# Altium PCB guvenlik_sistemi.PcbDoc (part 1 of 2)
Units mm, origin at the board's own origin, x right, y up, seen from the top; angles counter-clockwise.
Board outline 74.17 x 99.57 mm, 4 copper layers (Top Layer, GROUND, POWER, Bottom Layer), stack 1.369 mm thick; 125 components, 86 nets, 445 pads, 83 vias.
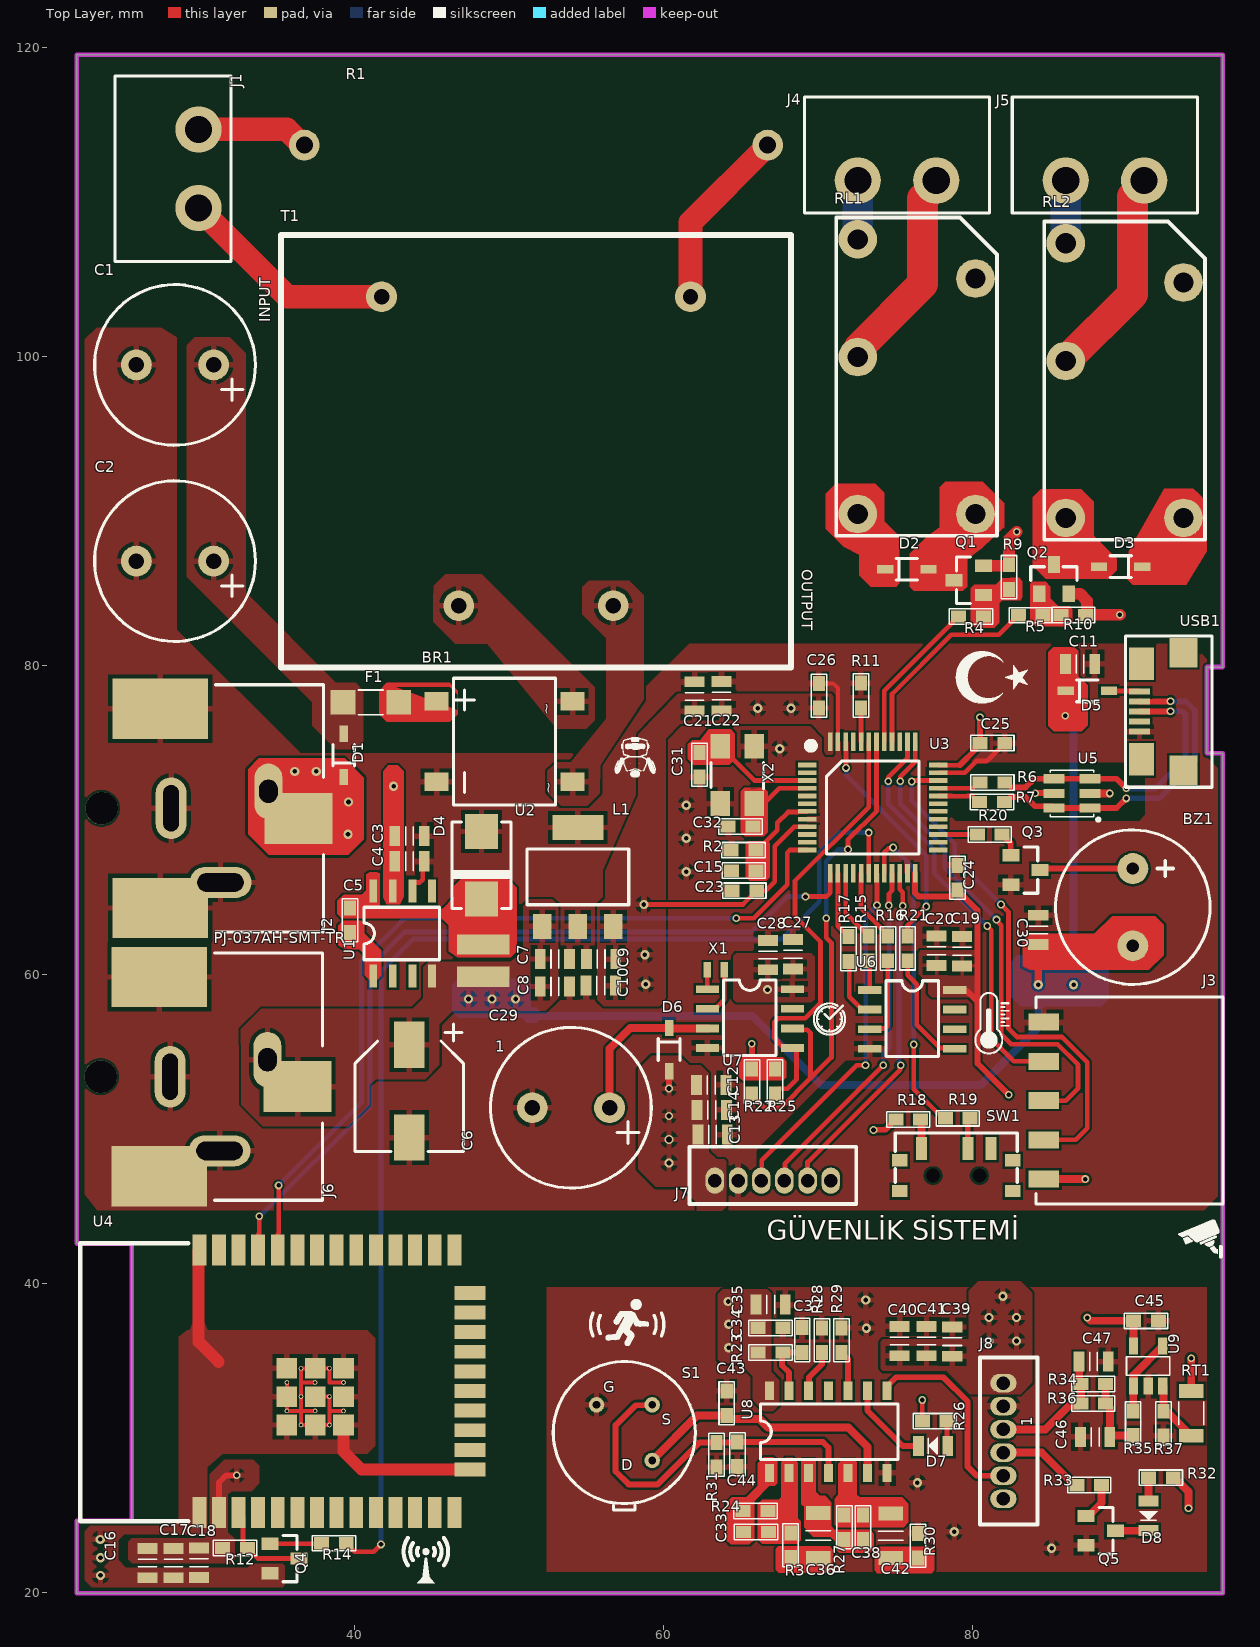
[diagram p0: Top Layer view]
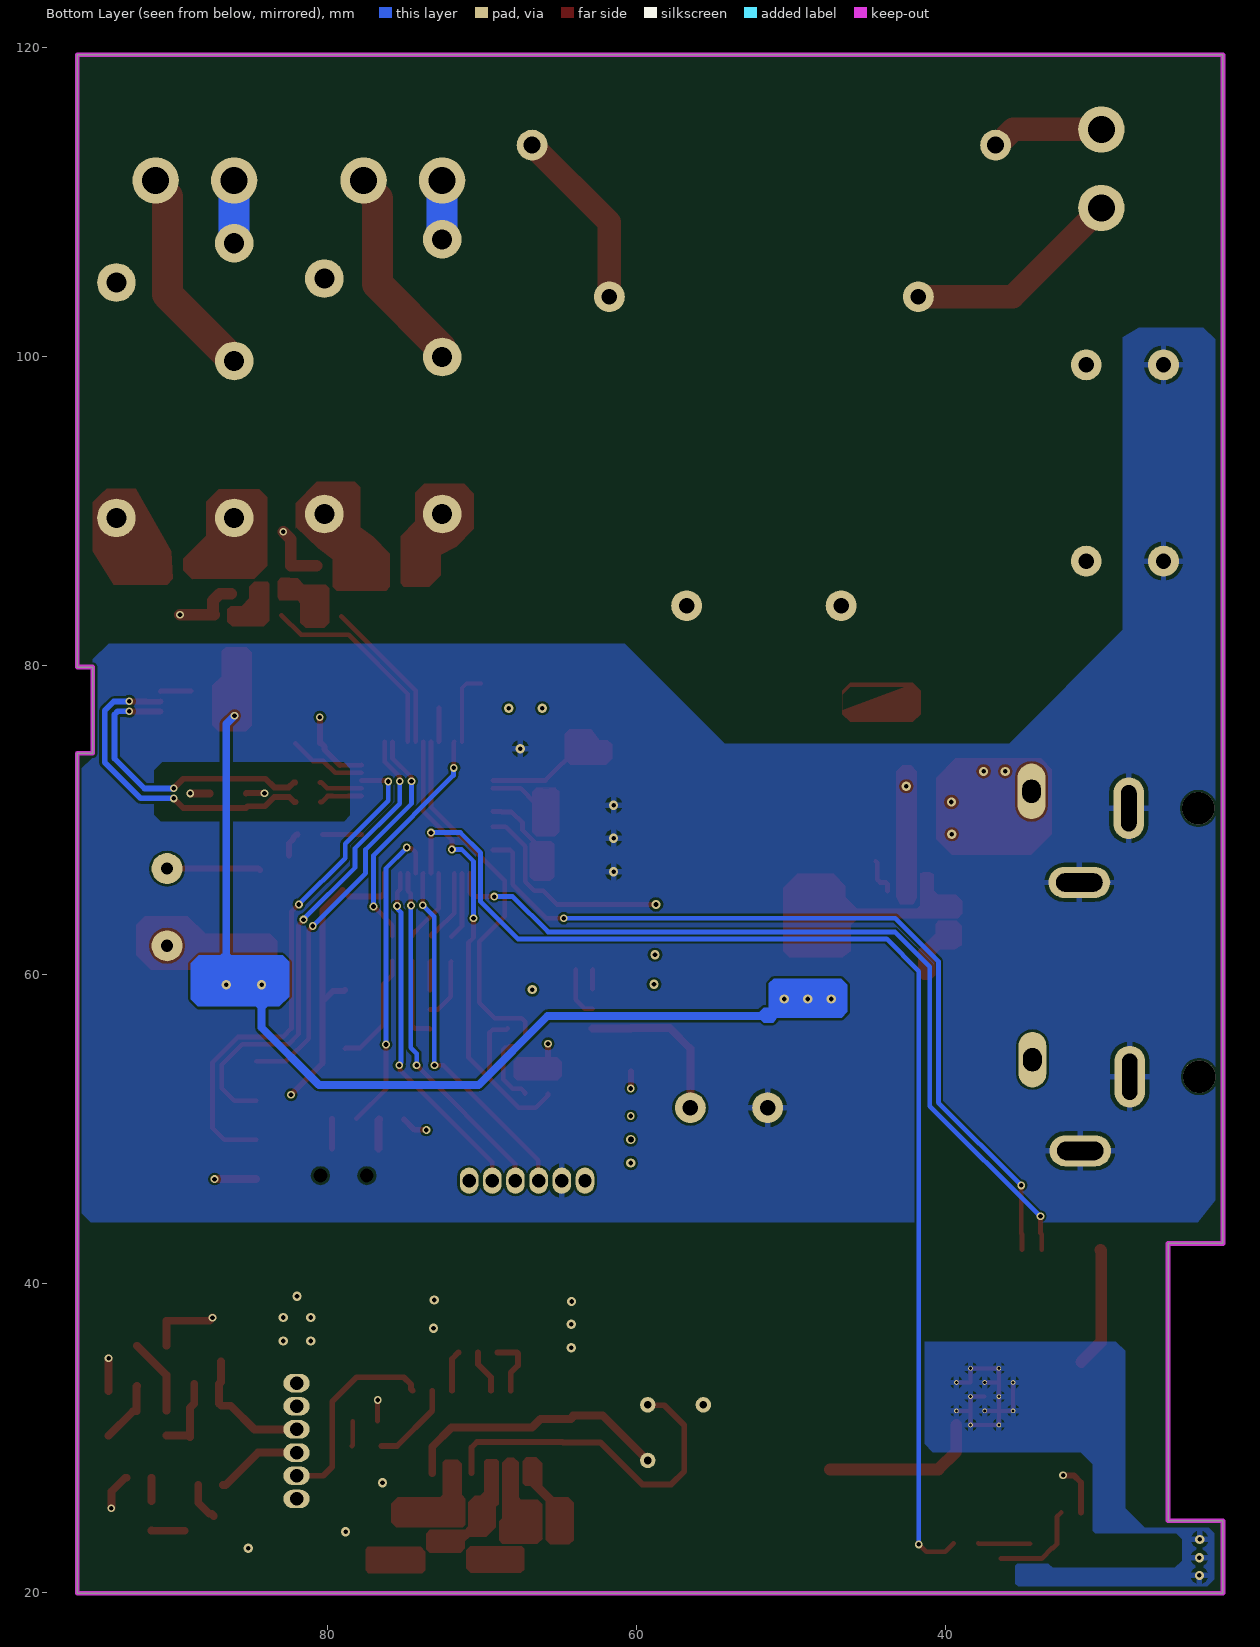
[diagram p1: Bottom Layer view, seen from below]
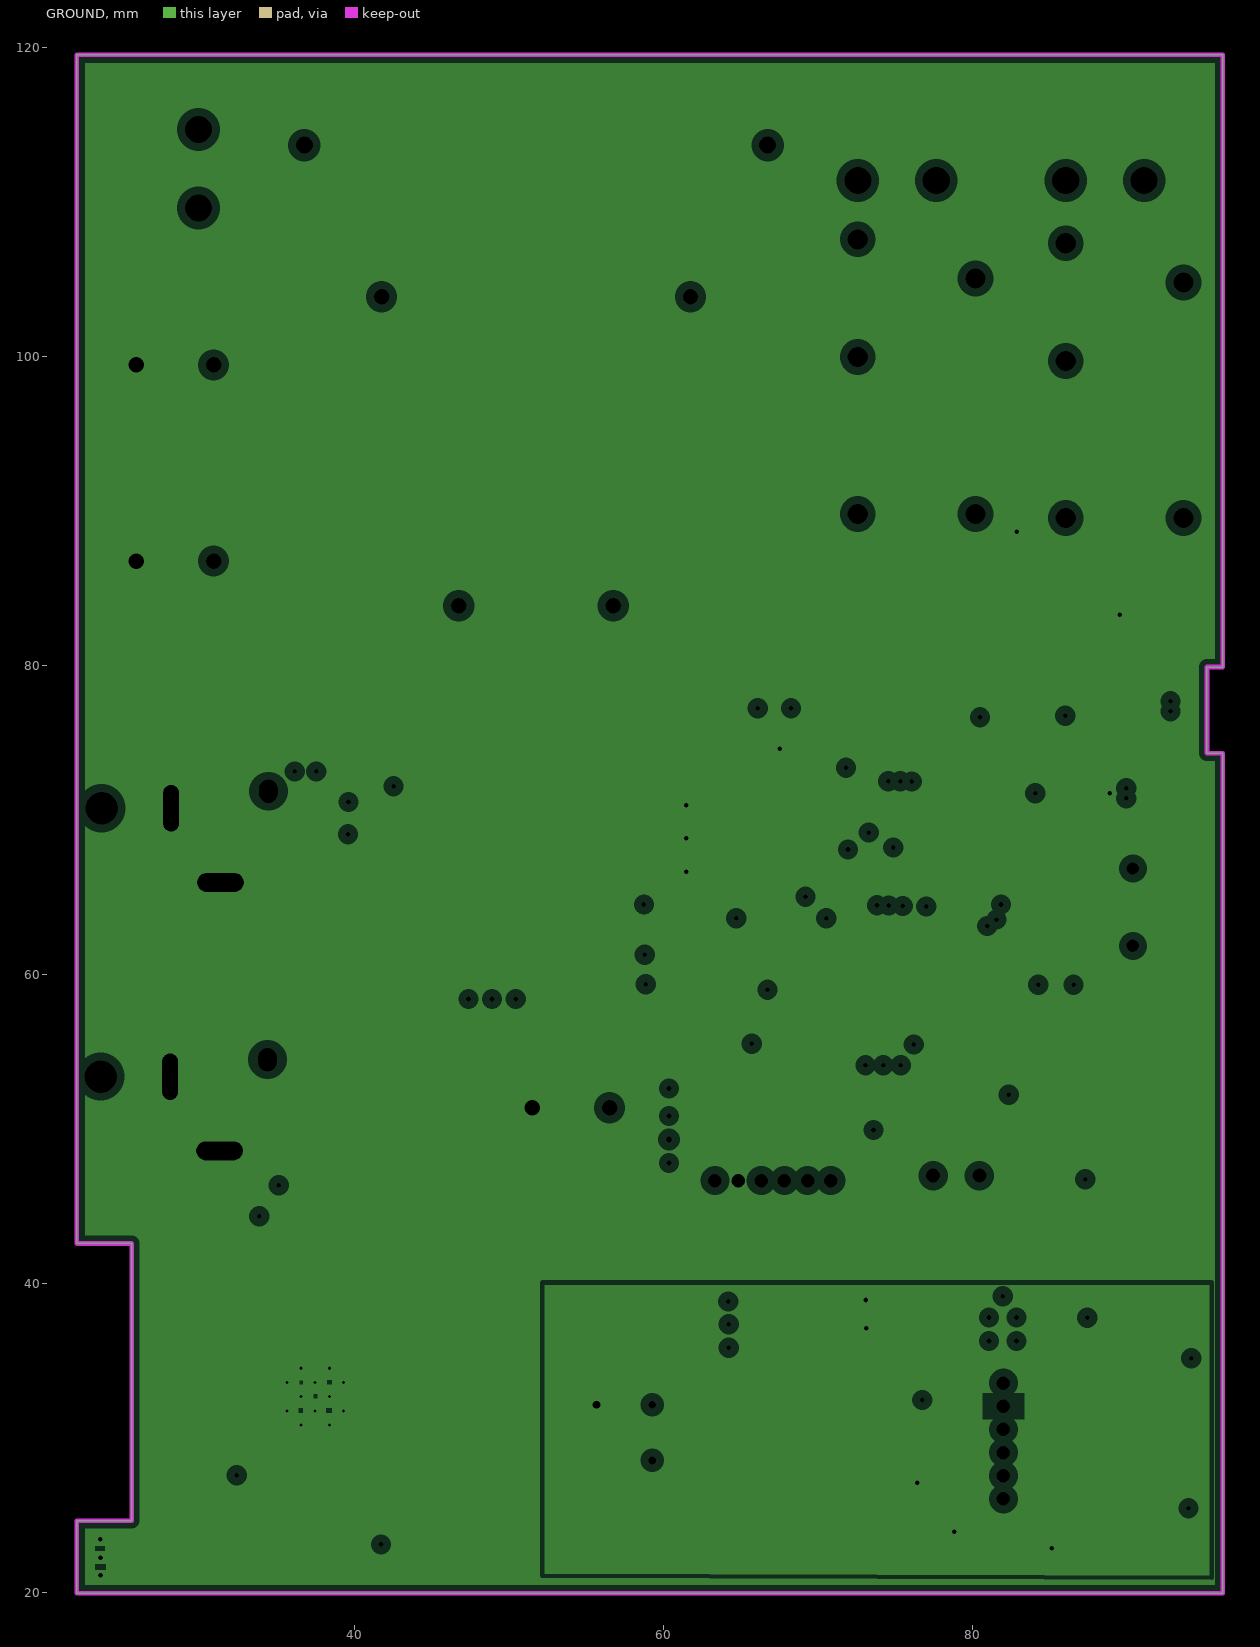
[diagram p2: GROUND, clearances drawn from the general rule]
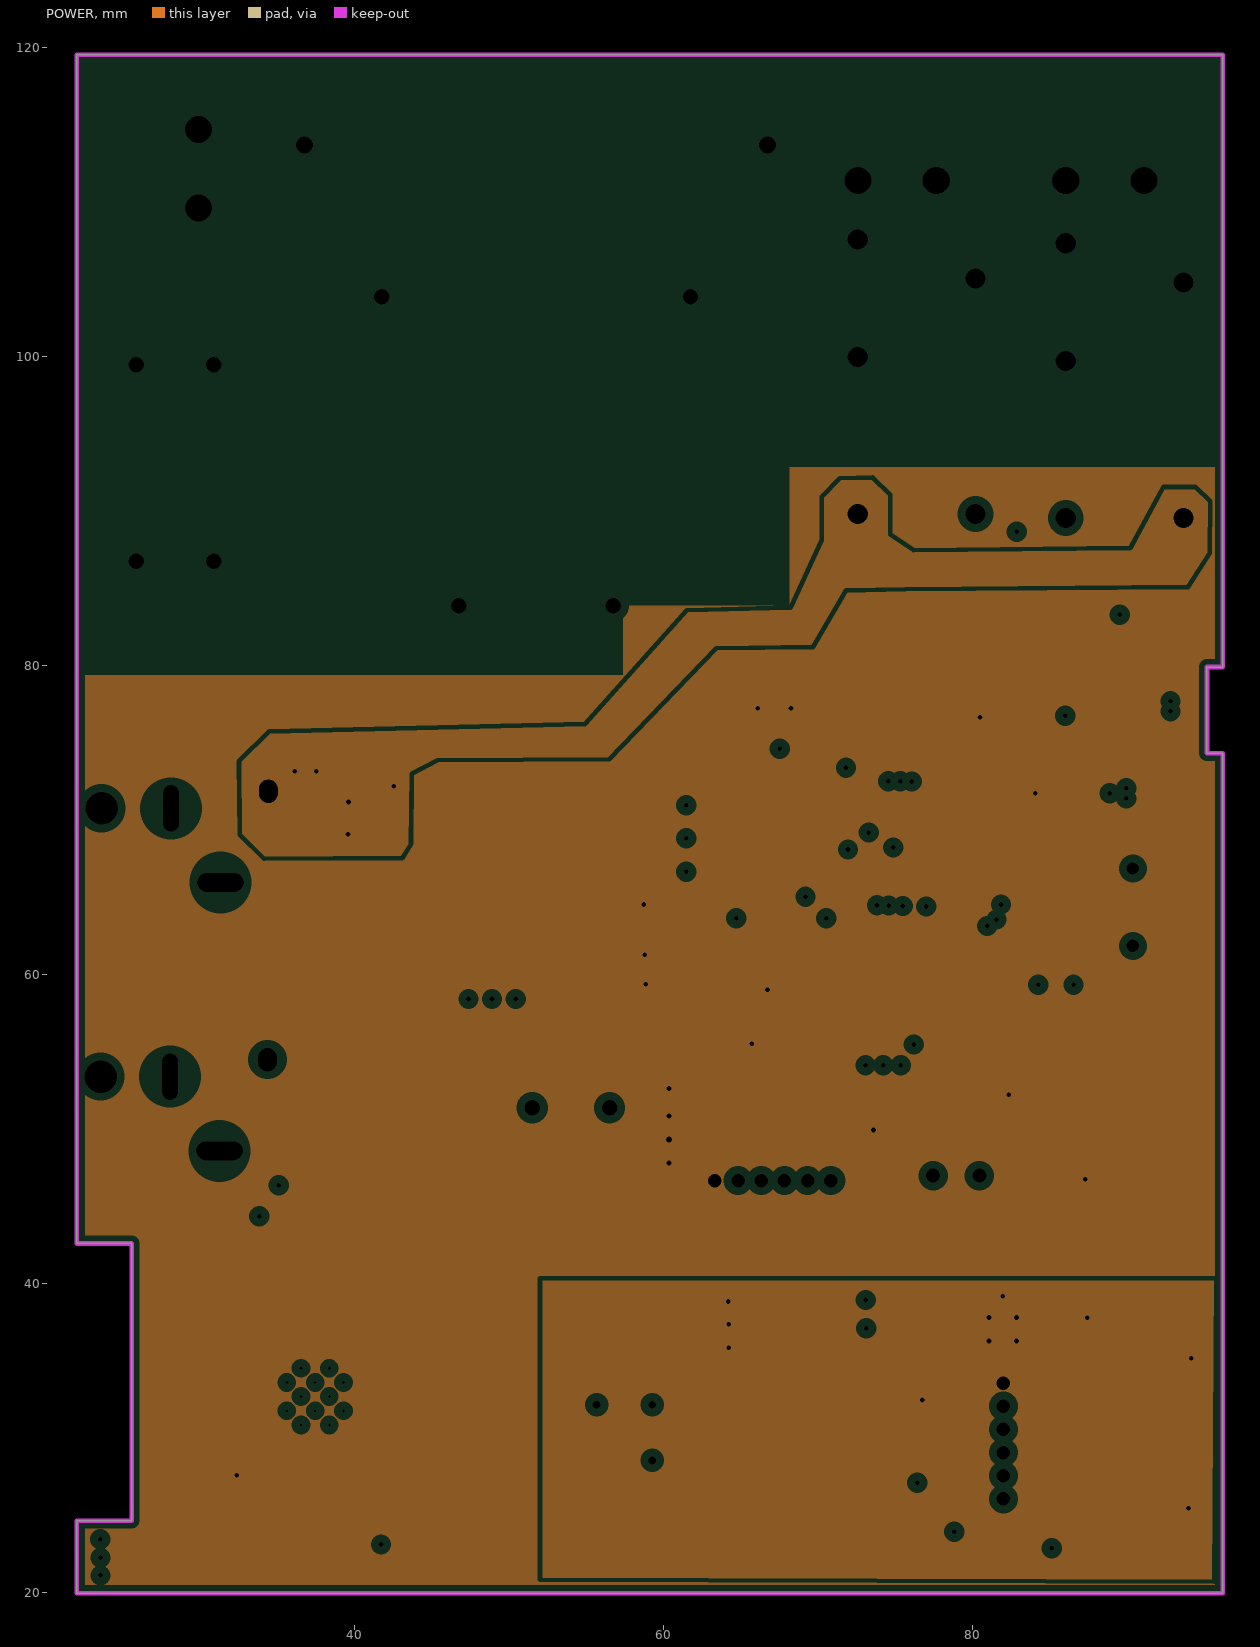
[diagram p3: POWER, clearances drawn from the general rule]
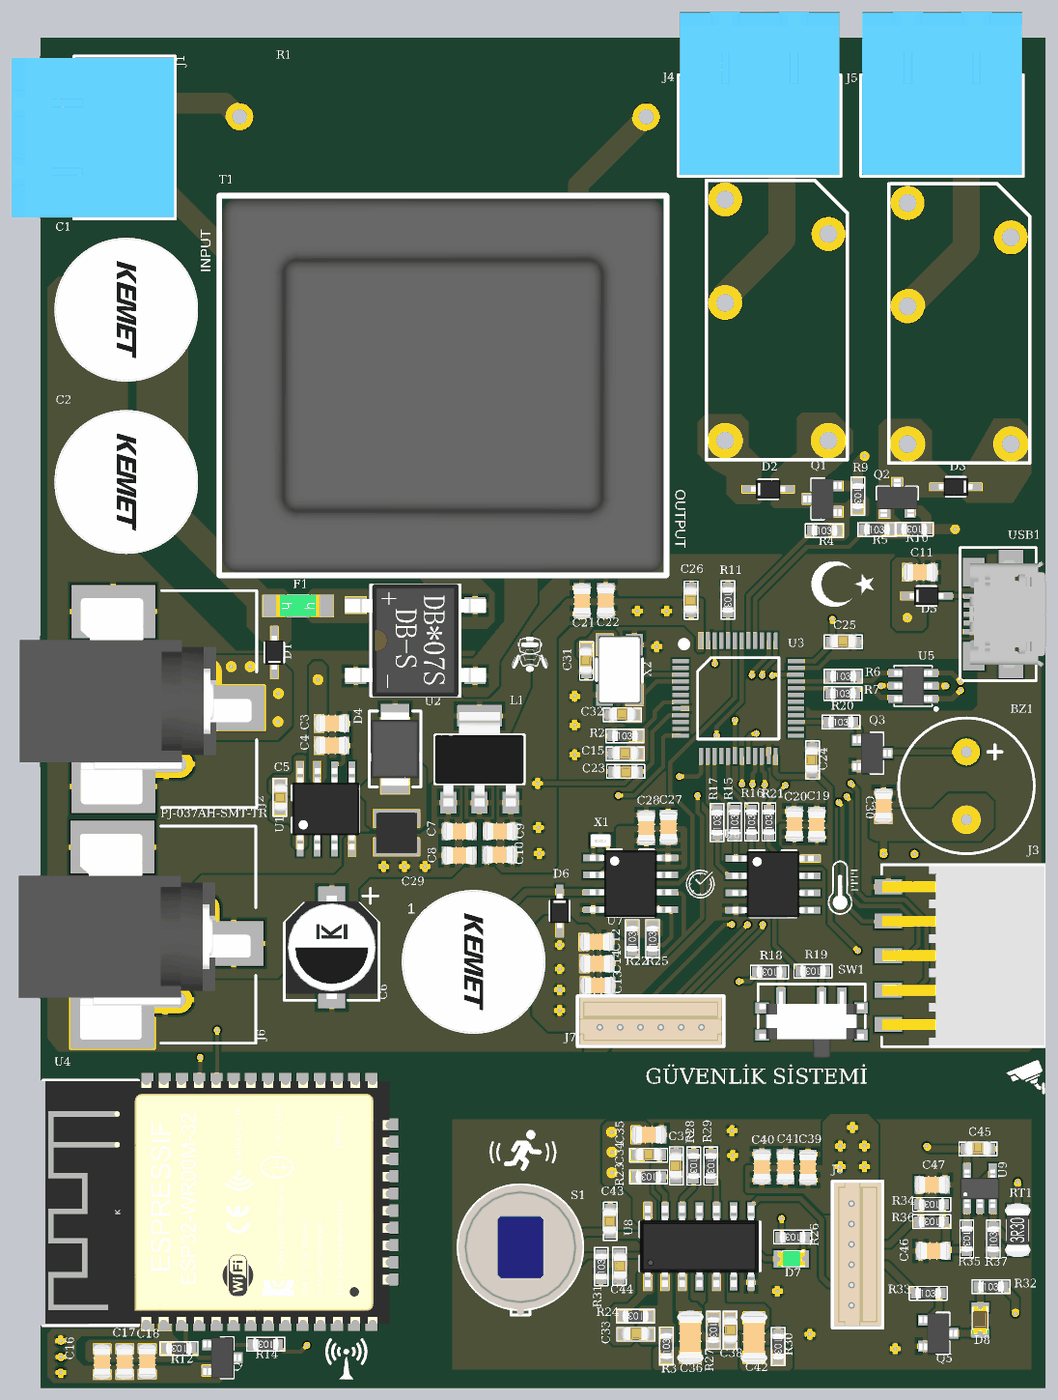
[diagram p5: 3D render of the assembled board from above, using the file's embedded part models]

## Layer stack, top to bottom
Top Solder: solder mask 0.025, SM-001, Dk 4
Top Layer: signal copper 0.035
Dielectric 1: prepreg 0.1295, PP-017, Dk 4.3
Dielectric 2: prepreg 0.1295, PP-017, Dk 4.3
GROUND: plane copper 0.035, net GND
Dielectric 3: core 0.7112, Core-039, Dk 4.8
POWER: plane copper 0.035, net (Multiple Nets)
Dielectric 4: prepreg 0.1295, PP-017, Dk 4.3
Dielectric 5: prepreg 0.1295, PP-017, Dk 4.3
Bottom Layer: signal copper 0.035
Bottom Solder: solder mask 0.025, SM-001, Dk 4

## Board outline
22.022,19.939 22.022,24.613 25.578,24.613 25.578,42.57 22.022,42.57 22.022,119.507 96.19,119.507 96.19,79.883 95.174,79.883 95.174,74.295 96.19,74.295 96.19,19.939

## Design rules (kind name [scope] priority, off if disabled: settings)
Clearance [All] p1: gap=0.152 ignorepadtopadclearanceinfootprint=TRUE
DiffPairsRouting [InDifferentialPair('MCU')] p1: maxlimit=0.208 minlimit=0.208 mostfreqgap=0.208 toplayer_minwidth=0.305 toplayer_maxwidth=0.305 toplayer_prefwidth=0.305 bottomlayer_minwidth=0.305 bottomlayer_maxwidth=0.305 bottomlayer_prefwidth=0.305 impedanceprofiledriven=TRUE impedanceprofileid={79E76BEE-F4BC-4632-8387-A763450EA42E} impedanceprofilevalue=90.000000 maxuncoupledlength=12.7
DiffPairsRouting DiffPairsRouting_1 [All] p2: maxlimit=0.254 minlimit=0.254 mostfreqgap=0.254 toplayer_minwidth=0.374 toplayer_maxwidth=0.374 toplayer_prefwidth=0.374 bottomlayer_minwidth=0.374 bottomlayer_maxwidth=0.374 bottomlayer_prefwidth=0.374 impedanceprofiledriven=TRUE impedanceprofileid={E5E8971E-963E-4189-922C-0EE929C7F863} impedanceprofilevalue=90.000000 maxuncoupledlength=12.7
HoleSize [All] p1: absolutevalues=TRUE maxlimit=5 minlimit=0.025 maxpercent=80.000 minpercent=20.000
Length [All] p1: maxlimit=2540 minlimit=0
MinimumSolderMaskSliver [All] p1: minsoldermaskwidth=0.001
PlaneClearance [All] p1: clearance=0.508
PlaneConnect [All] p1: planeconnectstyle=Relief reliefexpansion=0.508 reliefentries=4 reliefconductorwidth=0.254 reliefairgap=0.254
PolygonConnect [All] p1: connectstyle=Relief reliefconductorwidth=0.381 reliefentries=4 polygonreliefangle="90 Angle" airgapwidth=0.254
RoutingVias [All] p1: holewidth=0.5 width=0.8 viastyle="Through Hole" minholewidth=0.3 minwidth=0.5 maxholewidth=1 maxwidth=2
SMDToCorner [All] p1: distance=0
SilkToSilkClearance [All] p1: silktosilkclearance=0
SilkToSolderMaskClearance [IsPad] p1: minsilkscreentomaskgap=0 clearancetoexposedcopper=TRUE
SolderMaskExpansion [All] p1: expansion=0.102 istentingtop=FALSE
Width [All] p1: maxlimit=2 minlimit=0.152 preferedwidth=0.3 minimp=50.000000 maximp=50.000000 favimp=50.000000
23 further rules are at their usual default settings.

## Classes and differential pairs
component class U_WifiModule: C16 C17 C18 Q4 R12 R14 U4
component class U_TemperatureSensor: C19 C20 R15 R16 R17 R21 U6
component class U_SensorBoard: C33 C34 C35 C36 C37 C38 C39 C40 C41 C42 C43 C44 C45 C46 C47 D7 D8 J8 Q5 R3 R23 R24 R26 R27 R28 R29 R30 R31 R32 R33 R34 R35 R36 R37 RT1 S1 U8 U9
component class U_Rtc: C27 C28 C29 D6 R22 R25 U7 X1
component class U_Relay: D2 D3 Q1 Q2 R4 R5 R9 R10 RL1 RL2
component class U_Power: BR1 C1 C2 C3 C4 C5 C6 C7 C8 C9 C10 D1 D4 F1 L1 R1 T1 U1 U2
component class U_Microcontroller: BZ1 C15 C21 C22 C23 C24 C25 C26 C30 C31 C32 Q3 R2 R6 R7 R11 R18 R19 R20 SW1 U3 U5 X2
component class U_Connector: C11 C12 C13 C14 D5 J1 J2 J3 J4 J5 J6 J7 USB1
differential pair USB: +USB_P -USB_N
differential pair MCU: +MCU_P -MCU_N

## Components (designator, comment, footprint, x,y, rotation, side; value= is the part's Value field where it differs from the comment)
BR1 "DB105STR" DB105STR 49.708,75.057 r90 top
BZ1 "CMI-9605IC-0580T" CMI-9605IC 90.373,64.338 r0 top
C1 "ESH477M050AH4AA" CAP_RADIAL_D10_P5 28.372,99.441 r180 top
C2 "ESH477M050AH4AA" CAP_RADIAL_D10_P5 28.372,86.741 r180 top
C3 "CL21B105KBFNNNE" CAP_0805 43.551,68.936 r180 top
C4 "CL21B104KBCNNNC" CAP_0805 43.551,67.31 r180 top
C5 "0603B103K160CT" CAP_0603 39.703,63.493 r90 top
C6 "EEV686M035A9HAA" CAP_EEVSERIES 43.536,52.426 r270 top
C7 "CL21B105KBFNNNE" CAP_0805 52.959,60.985 r180 top
C8 "CL21B104KBCNNNC" CAP_0805 52.959,59.207 r180 top
C9 "CL21A475KAQNNNE" CAP_0805 55.955,60.974 r0 top
C10 "CL21B105KBFNNNE" CAP_0805 55.934,59.255 r0 top
C11 "CL21A475KAQNNNE" CAP_0805 86.954,80.086 r180 top
C12 "CL21A475KAQNNNE" CAP_0805 63.081,52.833 r180 top
C13 "CL21A475KAQNNNE" CAP_0805 63.168,49.613 r180 top
C14 "CL21B105KBFNNNE" CAP_0805 63.12,51.22 r180 top
C15 "C0603C104K5RACTU" CAP_0603 65.192,66.701 r180 top
C16 "CL21A475KAQNNNE" CAP_0805 26.589,21.879 r90 top
C17 "CL21B105KBFNNNE" CAP_0805 28.265,21.879 r90 top
C18 "CL21B104KBCNNNC" CAP_0805 29.916,21.904 r90 top
C19 "CL21B105KBFNNNE" CAP_0805 79.326,61.491 r270 top
C20 "CL21B104KBCNNNC" CAP_0805 77.675,61.516 r270 top
C21 "CL21A475KAQNNNE" CAP_0805 62.001,77.978 r270 top
C22 "CL21B105KBFNNNE" CAP_0805 63.754,78.003 r270 top
C23 "C0603C104K5RACTU" CAP_0603 65.227,65.405 r0 top
C24 "C0603C104K5RACTU" CAP_0603 79.019,66.243 r270 top
C25 "C0603C104K5RACTU" CAP_0603 81.28,74.955 r180 top
C26 "C0603C104K5RACTU" CAP_0603 70.053,78.029 r270 top
C27 "CL21B104KBCNNNC" CAP_0805 68.377,61.29 r270 top
C28 "CL21B105KBFNNNE" CAP_0805 66.751,61.239 r270 top
C29 "ESH477M050AH4AA" CAP_RADIAL_D10_P5 54,51.359 r180 top
C30 "CL21B104KBCNNNC" CAP_0805 84.252,62.865 r270 top
C31 "CL10C200JB8NNNC" CAP_0603 62.332,73.558 r270 top
C32 "CL10C200JB8NNNC" CAP_0603 64.973,69.571 r180 top
C33 "0603B103K160CT" CAP_0603 65.977,23.901 r180 top
C34 "C0603C104K5RACTU" CAP_0603 66.916,37.109 r180 top
C35 "CL21B105KBFNNNE" CAP_0805 66.929,38.608 r180 top
C36 "C3216X5R1E336M160AC" CAP_1206 70.002,23.673 r270 top
C37 "C0603C104K5RACTU" CAP_0603 68.974,36.322 r270 top
C38 "0603B103K160CT" CAP_0603 72.915,24.206 r90 top
C39 "CL21A475KAQNNNE" CAP_0805 78.683,36.215 r270 top
C40 "CL21A475KAQNNNE" CAP_0805 77.02,36.252 r270 top
C41 "CL21B105KBFNNNE" CAP_0805 75.282,36.252 r270 top
C42 "C3216X5R1E336M160AC" CAP_1206 74.701,23.647 r90 top
C43 "C0603C104K5RACTU" CAP_0603 64.084,32.233 r270 top
C44 "C0603C104K5RACTU" CAP_0603 64.77,28.92 r90 top
C45 "C0603C104K5RACTU" CAP_0603 91.224,37.567 r180 top
C46 "CL21A475KAQNNNE" CAP_0805 87.935,30.048 r0 top
C47 "CL21B105KBFNNNE" CAP_0805 87.833,34.925 r180 top
D1 "1N4148WS" SOD323F 39.294,74.165 r90 top
D2 "1N4148WS" SOD323F 75.743,86.208 r0 top
D3 "1N4148WS" SOD323F 89.586,86.385 r180 top
D4 "1SMB5919BT3G" SMB 48.209,67.056 r90 top
D5 "1N4148WS" SOD323F 87.427,78.334 r0 top
D6 "1N4148WS" SOD323F 60.35,55.121 r270 top
D7 "LTST-C171GKT" LED_GREEN_0805 77.445,29.464 r0 top
D8 "LH R974-LP-1" LED_RED_0805 91.389,24.943 r90 top
F1 "3413.0216.22" 3413.0216.22 41.05,77.597 r180 top
J1 "TBP01R1-508-02BE" TBP01R1-508 29.896,112.141 r270 top
J2 "PJ-037AH-SMT-TR" JACK 29.993,70.739 r0 top
J3 "SMH-105-02-L-S" PINHEADER1X5_RA 84.607,51.816 r90 top
J4 "TBP01R1-508-02BE" TBP01R1-508 75.108,111.379 r180 top
J5 "TBP01R1-508-02BE" TBP01R1-508 88.57,111.379 r180 top
J6 "PJ-037AH-SMT-TR" JACK 29.931,53.367 r0 top
J7 "64800611622" 64800611622 67.069,46.634 r0 top
J8 "64800611622" 64800611622 81.991,29.782 r270 top
L1 "78438335470" IND_1212 48.311,60.884 r270 top
Q1 "MMBT3904-7-F" SOT-23F 79.756,85.496 r90 top
Q2 "MMBT3904-7-F" SOT-23F 85.268,85.573 r0 top
Q3 "MMBT3904-7-F" SOT-23F 83.419,66.741 r270 top
Q4 "MMBT3904-7-F" SOT-23F 35.458,22.174 r270 top
Q5 "MMBT3904-7-F" SOT-23F 88.29,23.978 r270 top
R1 "5WD27" RES_AXIAL_W 51.74,113.665 r0 top
R2 "RC0603JR-07100RL" RES_0603 65.17,68.024 r0 top